# Altium PCB jetson_xavier_nx_board.PcbDoc (part 4 of 6)
Units mil, origin at the board's own origin, x right, y up, seen from the top; angles counter-clockwise.
Board outline 3946.89 x 2559.58 mil, 6 copper layers (TOP, L2_GND, L3_PWR, L4_SIG, L5_GND, BOTTOM), stack 47.2 mil thick; 346 components, 315 nets, 1402 pads, 1004 vias.
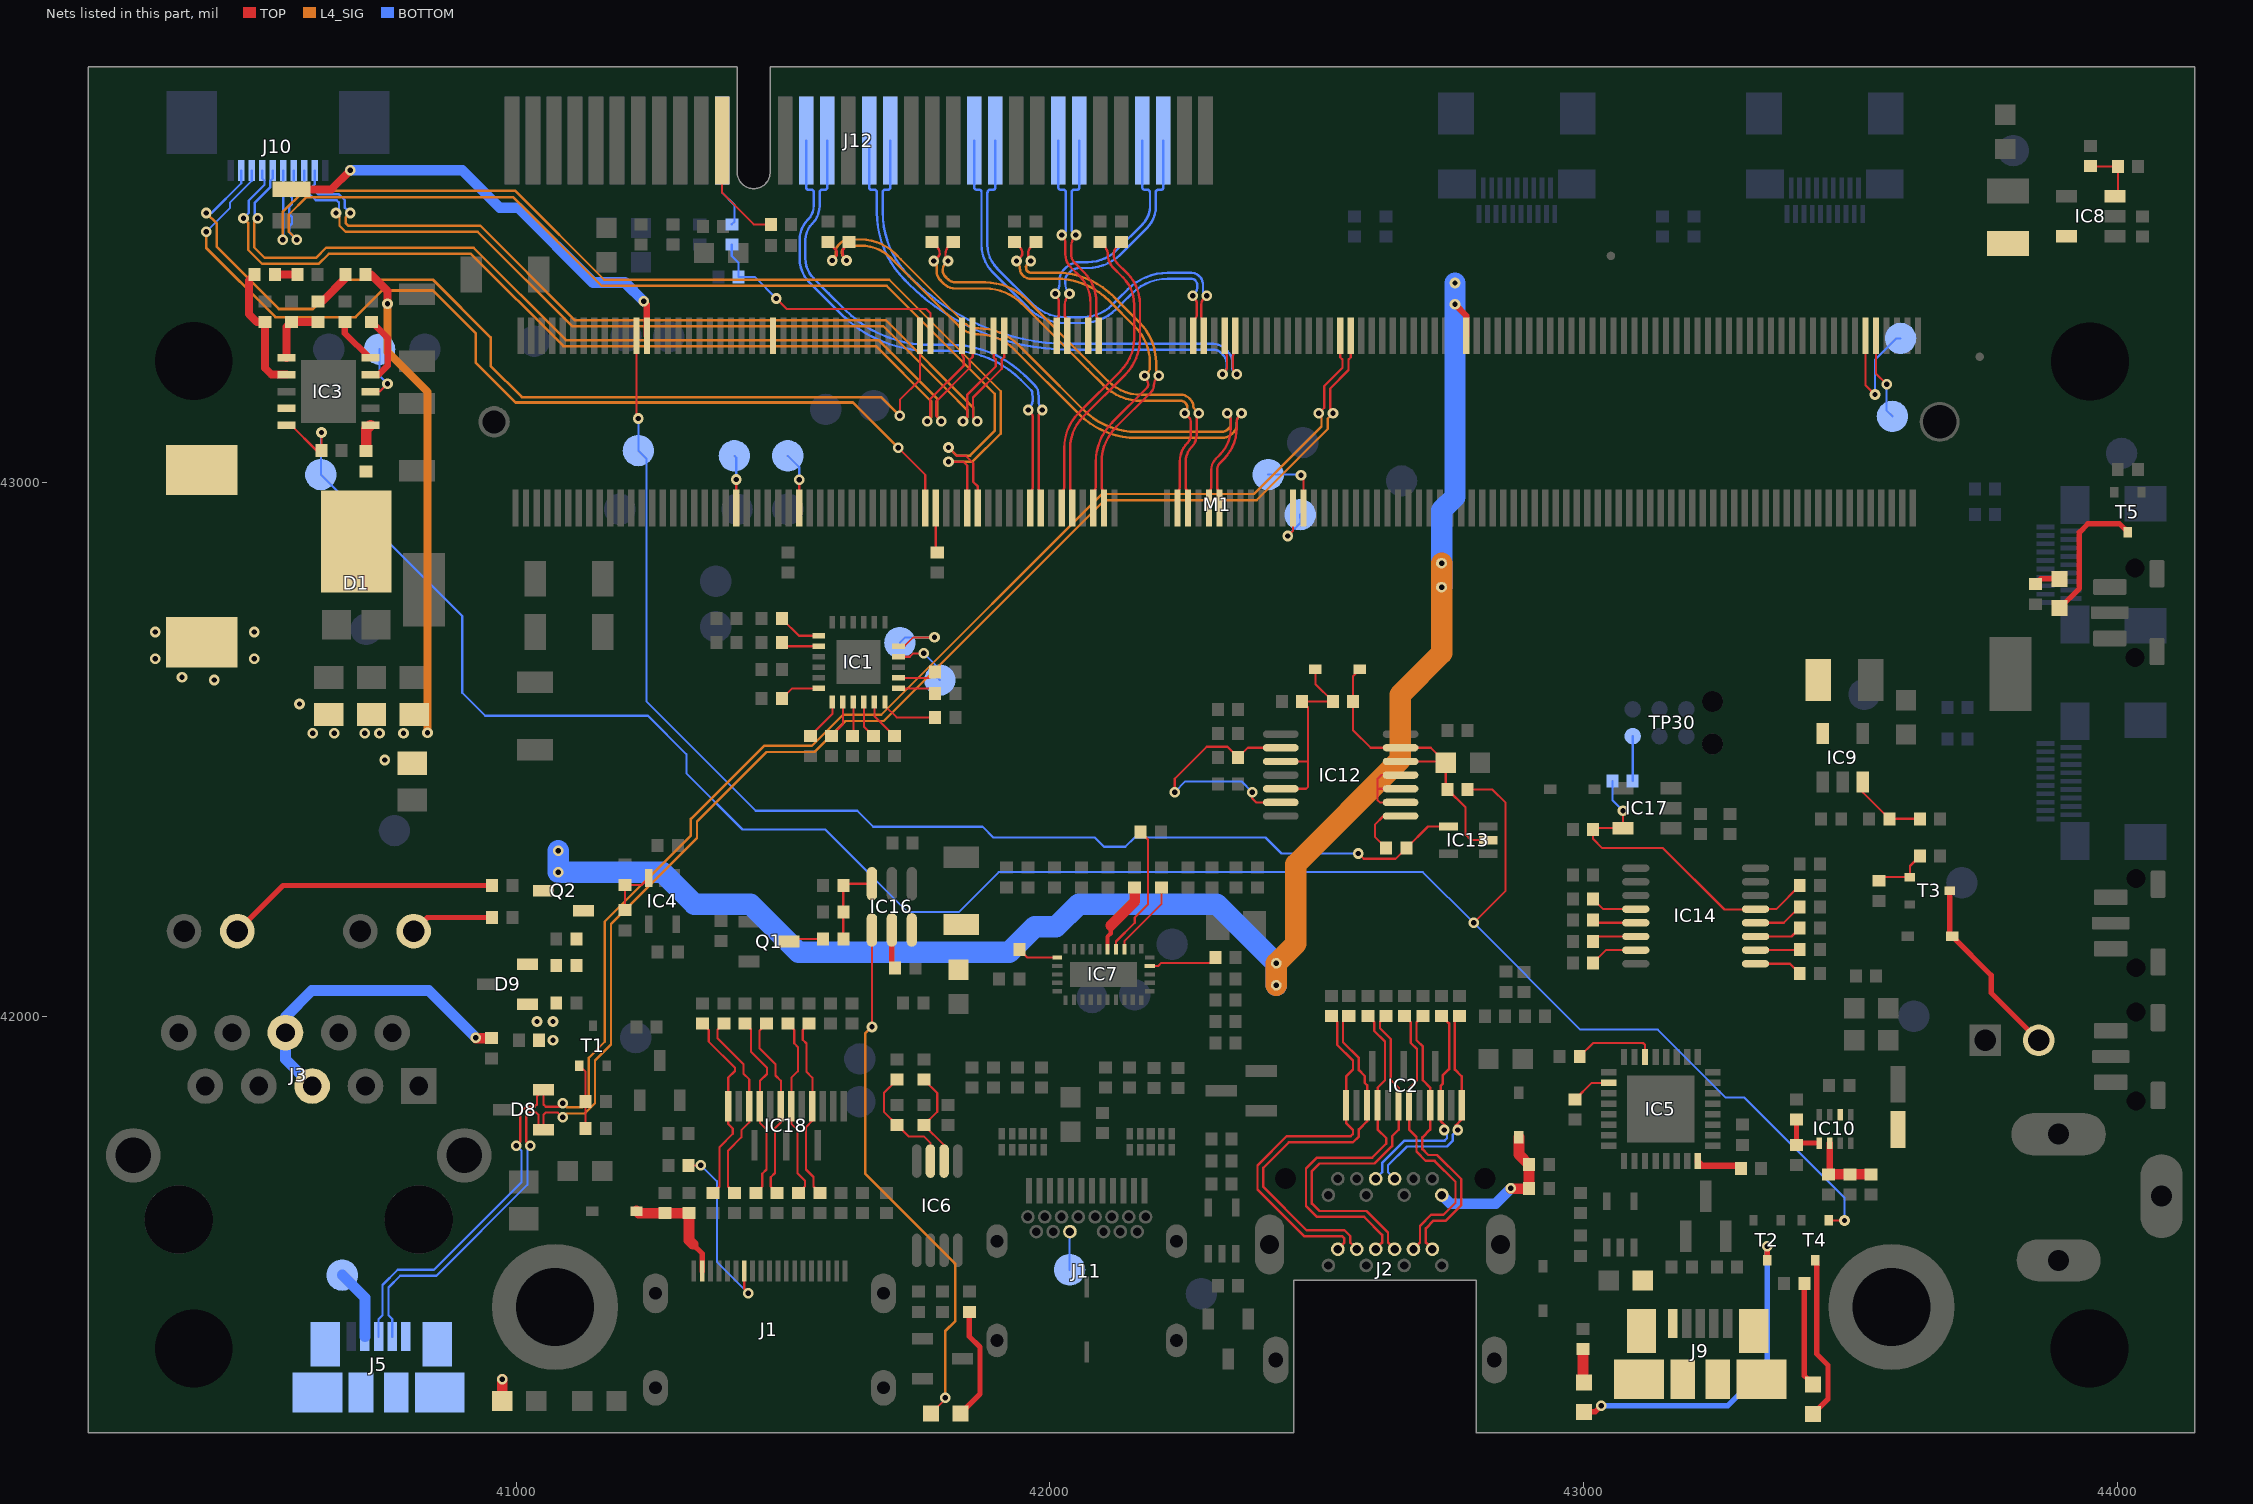
[diagram p8: the nets of this part, all layers, seen from the top]

## Via types
v1: diameter 20, hole 10, TOP to BOTTOM, 999 vias
v2: diameter 23.62, hole 9.84, TOP to BOTTOM, 5 vias

## Nets (pads, with @x,y where several pads share a name; then routed paths per layer and width w, separated by ;. In a path a pad name is that pad's centre, name@x,y a point inside that pad or via, vN(x,y) a via of type N, cw(c..) or ccw(c..) an arc to the next point about the centre after c; other vN are vias at no path point) (continued)
ML_C_LANE0_N: C40.2 IC2.3 J2.5 | length 724.7
  TOP w4.5: C40.2@42559.87,42000.83 42549.17,41990.13 42549.17,41951.68 42578.82,41922.03 42578.82,41899.47 42589.82,41888.47 42589.82,41875.48 42594.2,41871.1 IC2.3@42594.2,41833.66 42594.2,41803.85 42578.82,41788.47 42578.82,41775.41 42567.88,41764.47 42447.82,41764.47 42399.82,41716.47 42399.82,41680.47 42480.88,41599.41 42551.68,41599.41 42562.62,41588.47 42562.62,41576.24 J2.5@42574.84,41564.02
ML_C_LANE0_P: C39.2 IC2.1 J2.3 | length 722.7
  TOP w4.5: C39.2@42527.47,42000.83 42538.17,41990.13 42538.17,41947.12 42567.82,41917.47 42567.82,41900.47 42554.83,41887.48 IC2.1@42554.83,41833.66 42554.83,41800.46 42567.82,41787.47 42567.82,41779.97 42563.32,41775.47 42443.26,41775.47 42388.82,41721.03 42388.82,41675.91 42476.32,41588.41 42547.12,41588.41 42551.62,41583.91 42551.62,41576.23 J2.3@42539.41,41564.02
ML_C_LANE1_N: C43.2 IC2.6 J2.11 | length 699.9
  TOP w4.5: C43.2@42629.68,42000.83 42618.39,41989.54 42618.39,41977.9 42638.82,41957.47 42638.82,41880.47 42653.26,41866.03 IC2.6@42653.26,41833.66 42653.26,41787.92 42641.05,41775.71 42641.05,41757.14 42608.38,41724.47 42504.82,41724.47 42490.82,41710.47 42490.82,41649.47 42504.82,41635.47 42593.38,41635.47 42633.49,41595.36 42633.49,41576.24 J2.11@42645.71,41564.02
ML_C_LANE1_P: C42.2 IC2.4 J2.9 | length 701.3
  TOP w4.5: C42.2@42596.11,42000.83 42607.39,41989.55 42607.39,41973.34 42627.82,41952.91 42627.82,41880.47 42613.89,41866.54 IC2.4@42613.89,41833.66 42613.89,41788.39 42630.05,41772.23 42630.05,41761.7 42603.82,41735.47 42500.26,41735.47 42479.82,41715.03 42479.82,41644.91 42500.26,41624.47 42588.82,41624.47 42622.49,41590.8 42622.49,41576.24 J2.9@42610.27,41564.02
ML_C_LANE2_N: C7.2 IC2.9 J2.17 | length 544.3
  TOP w4.5: C7.2@42698.74,42000.83 42686.82,41988.91 42686.82,41955.47 42698.82,41943.47 42698.82,41880.47 42712.31,41866.98 IC2.9@42712.31,41833.66 42712.31,41787.96 42697.82,41773.47 42697.82,41751.47 42708.82,41740.47 42725.38,41740.47 42770.82,41695.03 42770.82,41646.47 42741.82,41617.47 42718.82,41617.47 42704.35,41603 42704.35,41576.24 J2.17@42716.57,41564.02
ML_C_LANE2_P: C6.2 IC2.7 J2.15 | length 544.3
  TOP w4.5: C6.2@42664.69,42000.83 42675.82,41989.7 42675.82,41950.91 42687.82,41938.91 42687.82,41880.47 42672.94,41865.59 IC2.7@42672.94,41833.66 42672.94,41788.35 42686.82,41774.47 42686.82,41746.91 42704.26,41729.47 42720.82,41729.47 42759.82,41690.47 42759.82,41651.03 42737.26,41628.47 42714.26,41628.47 42693.35,41607.56 42693.35,41576.23 J2.15@42681.14,41564.02
ML_C_LANE3_N: C12.2 IC2.12 J2.12 | length 423
  TOP w4.5: v1(42763.82,41787.47) 42760.32,41790.97 42760.32,41795.97 42771.37,41807.02 IC2.12@42771.37,41833.66 42771.37,41887.92 42758.82,41900.47 42758.82,41991.87 C12.2@42767.78,42000.83
  BOTTOM w4.5: J2.12@42645.71,41695.91 42633.49,41708.13 42633.49,41721.14 42668.82,41756.47 42744.09,41756.47 42755.03,41767.41 42755.03,41778.68 v1(42763.82,41787.47)
ML_C_LANE3_P: C8.2 IC2.10 J2.10 | length 423.2
  TOP w4.5: C8.2@42733.97,42000.83 42747.82,41986.98 42747.82,41901.47 42735.82,41889.47 42735.82,41873.48 42732,41869.66 IC2.10@42732,41833.66 42732,41804.29 42740.67,41795.62 42740.67,41789.24 v1(42738.9,41787.47)
  BOTTOM w4.5: J2.10@42610.27,41695.91 42622.49,41708.13 42622.49,41725.7 42664.26,41767.47 42739.53,41767.47 42744.03,41771.97 42744.03,41782.34 v1(42738.9,41787.47)
NETBOOT_A: BOOT.A R14.1 | length 63.2
  TOP w20: R14.1@42998.82,41376.57 42998.82,41316.41 BOOT.A@43000.96,41314.27
NETBOOT_K: BOOT.K T2.3 | length 629.6
  TOP w10: BOOT.K@43000.96,41259.27 43021.62,41259.27 v1(43032.82,41270.47) ; T2.3@43343.82,41543.07 v1(43343.82,41569.47)
  BOTTOM w10: v1(43032.82,41270.47) 43269.82,41270.47 43343.82,41344.47 v1(43343.82,41569.47)
NETC1_2: C1.2 C2.2 D4.C J1.18 | length 219.2
  TOP w10: 41331.32,41572.97 41348.46,41555.83 J1.18@41348.46,41522.68
  TOP w20: D4.C@41225.36,41635.47 41229.26,41631.57 C1.2@41278.82,41631.57 C2.2@41323.82,41631.57 41323.82,41580.47 41331.32,41572.97
NETC3_2: C3.2 C4.2 D2.C J2.20 | length 286.5
  TOP w20: v1(42863.62,41677.87) 42864.02,41677.47 C3.2@42897.78,41677.47 C4.2@42897.78,41722.47 42878.82,41741.43 D2.C@42878.82,41773.93
  BOTTOM w20: J2.20@42734.29,41665.4 42750.42,41649.27 42835.02,41649.27 v1(42863.62,41677.87)
NETC13_1: C13.1 J3.5 J3.6 | length 593.9
  TOP w20: v1(40923.82,41960.47) 40924.92,41959.37 C13.1@40953.82,41959.37
  BOTTOM w20: J3.5@40617.49,41869.69 40567.49,41919.69 J3.6@40567.49,41969.69 40567.49,41999.13 40616.91,42048.55 40835.74,42048.55 v1(40923.82,41960.47)
NETC16_2: C16.2 C17.2 C18.2 L1.2 R45.2 R74.1 | length 913
  TOP w15: R45.2@40717.73,43390.47 40727.82,43390.47 40758.82,43359.47 v1(40758.82,43335.47)
  L4_SIG w15: v1(40758.82,43335.47) 40758.82,43245.47 40833.82,43170.47 v1(40833.82,42531.47)
  other v1: 40753.82,42480.47 40618.82,42530.47 40658.82,42530.47 40715.82,42530.47 40743.82,42530.47 40788.82,42530.47 40593.82,42585.47 40433.82,42630.47 40373.82,42635.47 40323.82,42670.47 40508.82,42670.47 40323.82,42720.47 40508.82,42720.47
NETC19_1: C19.1 IC3.1 | length 52
  TOP w20: C19.1@40718.82,43059.37 40718.82,43100.05 IC3.1@40726.83,43108.06
NETC19_2: C19.2 D1.C IC3.9 L1.1
NETC24_1: C24.1 IC3.4 | length 133.5
  TOP w12: IC3.4@40726.83,43202.55 40741.81,43202.55 40758.82,43219.56 40758.82,43271.57 C24.1@40728.82,43301.57
NETC25_2: C25.2 R48.1 | length 42.2
  TOP w15: R48.1@40547.72,43390.47 C25.2@40589.92,43390.47
NETC30_2: C30.2 IC5.16 | length 87
  TOP w12: IC5.16@43213.58,41729.03 43222.14,41720.47 43289.92,41720.47 C30.2@43294.92,41715.47
NETC31_2: C31.2 IC16.6 L2.1
NETC61_1: C61.1 IC10.2 R134.2 R135.2 | length 139.5
  TOP w12: R135.2@43458.82,41704.37 43461.12,41706.67 IC10.2@43461.12,41762.9
  TOP w20: R135.2@43458.82,41704.37 C61.1@43498.82,41704.37 R134.2@43538.82,41704.37
NETC62_2: C62.2 D9.1 D9.2 J5.1 R71.1 R72.1
  other v1: 41068.82,41955.47 41038.82,41990.47 41068.82,41990.47
NETC64_2: C64.2 IC3.7 R48.2 | length 246.7
  TOP w15: R48.2@40509.92,43390.47 40498.82,43379.37 40498.82,43316.57 40513.83,43301.56 C64.2@40528.82,43301.56 40528.82,43215.47 40541.74,43202.55 IC3.7@40569.35,43202.55
NETD14_A: D14.A FAN.2 T3.3 | length 349.2
  TOP w10: T3.3@43686.22,42235.47 43686.22,42154.61 D14.A@43690.36,42150.47 43763.82,42077.01 43763.82,42044.21 FAN.2@43852.75,41955.28
NETIC1_1: IC1.1 R13.2 | length 80.9
  TOP w4: R13.2@41550.93,42525.53 41592.27,42566.87 IC1.1@41592.27,42589.31
NETIC1_2: IC1.2 R15.2 | length 72.7
  TOP w4: R15.2@41590.3,42525.53 41611.95,42547.18 IC1.2@41611.95,42589.31
NETIC1_3: IC1.3 R17.2 | length 64.6
  TOP w4: R17.2@41629.67,42525.53 41631.64,42527.5 IC1.3@41631.64,42589.31
NETIC1_4: IC1.4 R21.2 | length 71.1
  TOP w4: IC1.4@41651.32,42589.31 41651.32,42543.25 R21.2@41669.04,42525.53
NETIC1_5: IC1.5 R19.2 | length 79.3
  TOP w4: IC1.5@41671.01,42589.31 41671.01,42562.93 R19.2@41708.41,42525.53
NETIC1_6: IC1.6 R58.2 | length 110.2
  TOP w4: IC1.6@41690.69,42589.31 41690.69,42582.5 41712.72,42560.47 R58.2@41784.92,42560.47
NETIC1_7: IC1.7 R59.2 | length 72.5
  TOP w4: IC1.7@41716.28,42614.9 41775.48,42614.9 R59.2@41784.91,42605.47
NETIC1_8: IC1.8 R61.2 | length 73.1
  TOP w4: IC1.8@41716.28,42634.58 41774.02,42634.58 R61.2@41784.91,42645.47
NETIC1_10: IC1.10 TP11.1 | length 112.7
  TOP w4: IC1.10@41716.28,42673.95 41737.3,42673.95 41743.82,42680.47 v1(41763.82,42680.47)
  BOTTOM w4: v1(41763.82,42680.47) 41788.82,42655.47 41788.82,42635.47 TP11.1@41793.82,42630.47
NETIC1_11: IC1.11 TP12.1 | length 143.7
  TOP w4: IC1.11@41716.28,42693.64 41726.99,42693.64 41743.82,42710.47 v1(41783.82,42710.47)
  BOTTOM w4: TP12.1@41718.82,42700.47 41728.82,42710.47 v1(41783.82,42710.47)
NETIC1_19: IC1.19 R60.1 | length 82.3
  TOP w4: R60.1@41497.72,42745.47 41529.87,42713.32 IC1.19@41566.68,42713.32
NETIC1_20: IC1.20 R57.1 | length 71.8
  TOP w4: R57.1@41497.72,42700.47 41504.55,42693.64 IC1.20@41566.68,42693.64
NETIC1_24: IC1.24 R39.1 | length 77
  TOP w4: R39.1@41497.72,42595.47 41517.15,42614.9 IC1.24@41566.68,42614.9
NETIC3_3: IC3.3 TP5.1 | length 109.2
  TOP w4: IC3.3@40726.83,43171.05 40744.4,43171.05 v1(40758.82,43185.47)
  BOTTOM w4: TP5.1@40743.82,43250.47 40743.82,43200.47 v1(40758.82,43185.47)
NETIC3_5: IC3.5 R44.1 | length 88.3
  TOP w12: R44.1@40678.82,43301.57 40678.82,43280.47 40725.25,43234.04 IC3.5@40726.83,43234.04
NETIC3_6: IC3.6 R46.1 R52.2 | length 121.4
  TOP w15: IC3.6@40569.35,43234.04 40569.35,43292.09 R52.2@40578.82,43301.56 R46.1@40628.82,43301.57
NETIC4_3: IC4.3 R92.2 R94.1 | length 97.2
  TOP w4: R94.1@41203.82,42199.37 R92.2@41203.82,42246.57 41235.6,42246.57 IC4.3@41248.5,42259.47
NETIC5_2: IC5.2 R41.1 | length 76.4
  TOP w4: R41.1@42983.82,41844.36 43015.14,41875.68 IC5.2@43047.24,41875.68
NETIC5_30: IC5.30 R20.1 | length 157
  TOP w4: R20.1@42992.72,41925.47 43017.72,41950.47 43111.15,41950.47 43115.15,41946.47 IC5.30@43115.15,41923.91
NETIC6_2: IC6.2 R88.2 R98.1 | length 188.8
  TOP w4: R98.1@41763.82,41881.57 41788.82,41856.57 41788.82,41821.56 R88.2@41763.82,41796.56 41801.62,41758.76 IC6.2@41801.62,41729.13
NETIC6_3: IC6.3 R11.2 R99.1 | length 215.8
  TOP w4: R99.1@41713.82,41881.57 41688.82,41856.57 41688.82,41821.56 R11.2@41713.82,41796.56 41734.91,41775.47 41763.82,41775.47 41776.02,41763.27 IC6.3@41776.02,41729.13
NETIC7_3: IC7.3 R54.2 | length 144.3
  TOP w4: IC7.3@42139.48,42125.98 42139.48,42141.13 42208.82,42210.47 R54.2@42208.82,42241.56
NETIC7_4: IC7.4 R55.2 | length 250.1
  TOP w4: IC7.4@42123.73,42125.98 42123.73,42140.38 42158.82,42175.47 42158.82,42185.47 42183.82,42210.47 42183.82,42331.57 R55.2@42169.92,42345.47
NETIC7_5: IC7.5 R51.1 | length 136.7
  TOP w8: IC7.5@42107.98,42125.98 42107.98,42149.62 42113.82,42155.46 42113.82,42170.46
  TOP w20: 42113.82,42170.46 42158.82,42215.46 R51.1@42158.82,42241.58
NETIC7_11: IC7.11 R53.1 | length 77.1
  TOP w4: R53.1@41942.72,42125.47 41957.95,42110.24 IC7.11@42013.5,42110.24
NETIC7_29: IC7.29 R62.2 | length 129.8
  TOP w4: IC7.29@42186.72,42094.49 42202.84,42094.49 42208.82,42100.47 42299.92,42100.47 R62.2@42309.92,42110.47
NETIC8_3: IC8.3 R89.1 R90.1 | length 99.9
  TOP w4: R90.1@43951.23,43592.48 R89.1@44001.23,43592.48 IC8.3@44001.23,43542.57
NETIC8_6: IC8.6 L4.1
NETIC9_3: IC9.3 R91.1 R93.1 | length 146.7
  TOP w4: IC9.3@43522.94,42439.34 43522.94,42420.25 R91.1@43572.72,42370.47 R93.1@43629.92,42370.47
NETIC9_6: IC9.6 L6.1
NETIC10_1: IC10.1 R75.1 R76.1 | length 91.3
  TOP w10: R75.1@43398.82,41806.57 R76.1@43398.82,41759.37 43402.35,41762.9 IC10.1@43441.43,41762.9
NETIC10_6: IC10.6 L5.1
NETIC12_2: IC12.2 IC12.6 R16.2 | length 494.8
  TOP w4: v1(42233.82,42420.47) 42233.82,42445.47 42293.82,42505.47 42332.72,42505.47 R16.2@42352.72,42485.47 42370.76,42503.51 IC12.2@42432.62,42503.51 ; v1(42378.82,42420.47) 42378.82,42408.47 42386.14,42401.15 IC12.6@42432.62,42401.15
  BOTTOM w4: v1(42233.82,42420.47) 42253.82,42440.47 42358.82,42440.47 v1(42378.82,42420.47)
NETIC12_8: IC12.8 R130.2 | length 107.6
  TOP w4: R130.2@42629.92,42315.47 42608.82,42336.57 42608.82,42359.47 42624.91,42375.56 IC12.8@42657.02,42375.56
NETIC12_9: IC12.9 IC12.10 IC12.11 | length 174.2
  TOP w4: IC12.9@42657.02,42401.15 42618.14,42401.15 42613.82,42405.47 42613.82,42426.74 ; IC12.10@42657.02,42426.74 42613.82,42426.74 ; IC12.11@42657.02,42452.33 42620.68,42452.33 42613.82,42445.47 42613.82,42426.74
NETIC16_3: IC16.3 R47.1 R49.2 R102.2 | length 155.1
  TOP w4: R49.2@41612.72,42145.47 R47.1@41612.72,42195.47 R102.2@41612.72,42245.47 41616.04,42248.79 IC16.3@41666.41,42248.79
NETIC16_4: IC16.4 LED1.K | length 999.8
  TOP w4: v1(41666.41,41980.47) IC16.4@41666.41,42162.17 ; LED1.K@41777.51,41256.38 41803.82,41282.69 v1(41803.82,41285.47)
  L4_SIG w5: v1(41666.41,41980.47) 41653.82,41967.88 41653.82,41705.47 41822.82,41536.47 41822.82,41429.47 41803.82,41410.47 v1(41803.82,41285.47)
NETIC16_5: IC16.5 R50.2 | length 74.2
  TOP w10: IC16.5@41703.81,42162.17 41703.81,42096.58 R50.2@41709.92,42090.47
NETJ1_13: J1.13 R12.2 | length 344.7
  TOP w4: R12.2@41322.73,41720.47 41344.82,41720.47 v1(41345.82,41721.47) ; J1.13@41427.2,41522.68 41427.2,41489.09 v1(41434.82,41481.47)
  BOTTOM w4: v1(41345.82,41721.47) 41375.82,41691.47 41375.82,41540.47 v1(41434.82,41481.47)
NETJ3_11: J3.11 R38.1 | length 157.7
  TOP w10: J3.11@40807.81,42159.85 40833.42,42185.47 R38.1@40954.92,42185.47
NETJ3_13: J3.13 R40.2 | length 512.9
  TOP w10: J3.13@40477.49,42159.85 40563.11,42245.47 R40.2@40954.91,42245.47
NETJ5_4: J5.4 TP22.1 | length 133
  BOTTOM w20: TP22.1@40673.82,41515.47 40716.51,41472.78 J5.4@40716.51,41400.12
NETJ9_1: J9.1 L3.1
NETJ11_B8: J11.B8 TP19.1 | length 71.7
  BOTTOM w4: TP19.1@42036.82,41525.48 42036.82,41596.29 J11.B8@42037.43,41596.9
NETJ12_A11: J12.A11 R136.1 | length 168.5
  BOTTOM w4: J12.A11@41385.79,43641.26 41385.79,43543.5 41408.82,43520.47 41408.82,43489.37 R136.1@41403.82,43484.37
NETJ12_B11: J12.B11 R137.2 | length 213.7
  TOP w4: J12.B11@41385.79,43641.26 41385.79,43543.5 41445.04,43484.25 R137.2@41477.17,43484.25
NETLED1_A: LED1.A R43.1 | length 213.5
  TOP w10: LED1.A@41832.51,41256.38 41868.82,41292.69 41868.82,41380.47 41848.82,41400.47 R43.1@41848.82,41446.57
NETM1_9: M1.9 TP3.1 | length 163.8
  TOP w4: M1.9@43547.95,43275.59 43547.95,43204.34 v1(43567.82,43184.47)
  BOTTOM w4: v1(43567.82,43184.47) 43567.82,43135.33 TP3.1@43578.68,43124.47
NETM1_11: M1.11 TP4.1 | length 247
  TOP w4: M1.11@43528.27,43275.59 43528.26,43183.03 v1(43545.82,43165.47)
  BOTTOM w4: v1(43545.82,43165.47) 43545.82,43230.47 43585.82,43270.47 TP4.1@43593.82,43270.47
NETM1_118: M1.118 TP9.1 | length 125.3
  TOP w4: v1(42470.32,43013.97) 42475.11,43009.18 M1.118@42475.11,42952.76
  BOTTOM w4: TP9.1@42408.82,43015.47 42468.82,43015.47 v1(42470.32,43013.97)
NETM1_120: M1.120 TP6.1 | length 105.9
  TOP w4: v1(42445.82,42900.47) 42455.43,42910.08 M1.120@42455.43,42952.76
  BOTTOM w4: v1(42445.82,42900.47) 42445.82,42901.47 42469.15,42924.82 TP6.1@42468.82,42940.47
NETM1_206: M1.206 TP13.1 | length 106.6
  TOP w4: M1.206@41530.23,42952.76 v1(41530.23,43005.88)
  BOTTOM w4: TP13.1@41508.82,43050.48 41530.23,43029.07 v1(41530.23,43005.88)
NETM1_218: M1.218 TP14.1 | length 99.1
  TOP w4: M1.218@41412.12,42952.76 v1(41412.12,43006.17)
  BOTTOM w4: TP14.1@41408.81,43050.47 41412.12,43047.16 v1(41412.12,43006.17)
NETPWR_A: PWR.A R97.1 | length 196
  TOP w10: R97.1@43413.58,41499.47 43413.58,41326.78 PWR.A@43430.06,41310.3
NETPWR_K: PWR.K T4.3 | length 309.2
  TOP w10: PWR.K@43430.06,41255.3 43457.82,41283.06 43457.82,41346.47 43436.82,41367.47 43436.82,41540.07 T4.3@43433.82,41543.07
NETQ1_3: Q1.3 R49.1 | length 65.8
  TOP w4: Q1.3@41511.22,42140.47 41516.22,42145.47 R49.1@41574.92,42145.47
NETQ2_1: Q2.1 R72.2 R73.1
NETR45_1: R45.1 R46.2 | length 76.3
  TOP w15: R46.2@40628.82,43339.37 40635.71,43339.37 40679.93,43383.59 R45.1@40679.93,43390.47
NETR82_2: R82.2 R83.1 T1.1 | length 122.4
  TOP w4: T1.1@41118.23,41908.07 41129.92,41896.38 R83.1@41129.92,41840.47 R82.2@41129.92,41790.47
NETR95_1: R95.1 R96.1 T3.1 | length 107.4
  TOP w4: R95.1@43553.82,42254.37 43560.51,42261.06 T3.1@43611.42,42261.06 43611.42,42281.97 R96.1@43629.92,42300.47
NETR111_1: R111.1 USER.A | length 49.3
  TOP w10: R111.1@43846.46,42810.24 43856.19,42819.97 USER.A@43891.68,42819.97
NETR132_2: R132.2 TP30.2 | length 84.4
  BOTTOM w4: R132.2@43091.92,42441 TP30.2@43091.92,42525.37
NETT5_3: T5.3 USER.K | length 261.6
  TOP w10: USER.K@43891.68,42764.97 43928.82,42802.11 43928.82,42907.17 43944.88,42923.23 44003.94,42923.23 T5.3@44019.68,42907.48
OTG_USB_D_N: D8.1 J5.2 M1.109 | length 3060.7
  TOP w4.2: v1(41026.47,41757.86) 41018.82,41765.51 41018.82,41815.67 41023.02,41819.87 41037.62,41819.87 41041.82,41815.67 41041.82,41797.48 D8.1@41051.23,41788.07 41051.23,41815.97 41055.23,41819.97 41063.13,41819.97 41063.23,41819.87 41077.92,41819.87 v1(41086.82,41810.97) ; v1@42524.99,43135.8 v1(42530.32,43130.47) ; v1@42525.02,43135.83 42525.02,43176.67 42559.55,43211.2 42559.55,43231.16 42563.7,43235.31 M1.109@42563.7,43275.59
  L4_SIG w4.3: v1(41086.82,41810.97) 41094.27,41818.42 41128.28,41818.42 41147.42,41837.56 41147.42,41917.66 41177.42,41947.66 41177.42,42173.06 41338.82,42334.46 41338.82,42365.47 41468.82,42495.47 41558.63,42495.47 41617.03,42553.87 41688.62,42553.87 42102.22,42967.47 42387.22,42967.47 42520.42,43100.67 42520.42,43120.57 v1(42530.32,43130.47)
  BOTTOM w4.2: J5.2@40767.69,41400.12 40767.69,41433.15 40760.49,41440.35 40760.49,41492.14 40782.62,41514.27 40850.46,41514.27 41020.82,41684.63 41020.82,41752.21 v1(41026.47,41757.86)
OTG_USB_D_P: D8.2 J5.3 M1.111 | length 3058.7
  TOP w4.2: v1(40999.97,41757.86) 41007.62,41765.51 41007.62,41820.31 41018.38,41831.07 41034.62,41831.07 41038.82,41835.27 41038.82,41850.46 D8.2@41051.23,41862.87 41051.23,41835.07 41055.23,41831.07 41080.42,41831.07 v1(41086.82,41837.47) ; v1(42503.82,43130.47) 42513.82,43140.47 42513.82,43181.31 42548.35,43215.84 42548.35,43230.96 42544.01,43235.3 M1.111@42544.01,43275.59
  L4_SIG w4.3: v1(41086.82,41837.47) 41094.27,41830.02 41123.47,41830.02 41135.82,41842.37 41135.82,41922.47 41165.82,41952.47 41165.82,42177.87 41327.22,42339.27 41327.22,42370.28 41464.01,42507.07 41553.82,42507.07 41612.22,42565.47 41683.81,42565.47 42097.41,42979.07 42382.41,42979.07 42508.82,43105.48 42508.82,43125.47 v1(42503.82,43130.47)
  BOTTOM w4.2: J5.3@40742.1,41400.12 40742.1,41433.16 40749.29,41440.35 40749.29,41496.78 40777.98,41525.47 40845.82,41525.47 41009.62,41689.27 41009.62,41748.21 v1(40999.97,41757.86)
OTG_USB_VBUS: M1.87 Q2.3 | length 3138.9
  TOP w12: v1(42758.82,43334.47) 42780.23,43313.06 M1.87@42780.23,43275.59
  L4_SIG w40: v1(42423.82,42058.47) v1(42423.82,42099.47) 42460.82,42136.47 42460.82,42285.47 42656.31,42480.96 42656.31,42602.96 42733.82,42680.47 v1(42733.82,42804.47) v1(42733.82,42849.47)
  BOTTOM w40: v1(41078.82,42310.47) v1(41078.82,42270.47) 41273.82,42270.47 41333.82,42210.47 41438.82,42210.47 41528.82,42120.47 41923.82,42120.47 41971.31,42167.96 42011.31,42167.96 42053.82,42210.47 42312.82,42210.47 v1(42423.82,42099.47) v1(42423.82,42058.47) ; v1(42733.82,42804.47) v1(42733.82,42849.47) 42733.82,42948.47 42758.82,42973.47 v1(42758.82,43334.47) v1(42758.82,43374.47)
P0: IC14.4 R120.1 | length 88
  TOP w4: R120.1@43017.72,42220.47 43037.05,42201.14 IC14.4@43097.73,42201.14